# KiCad board output.Panel_R0.5.1_300x300_2layer_step1_Modified.kicad_pcb (continued)
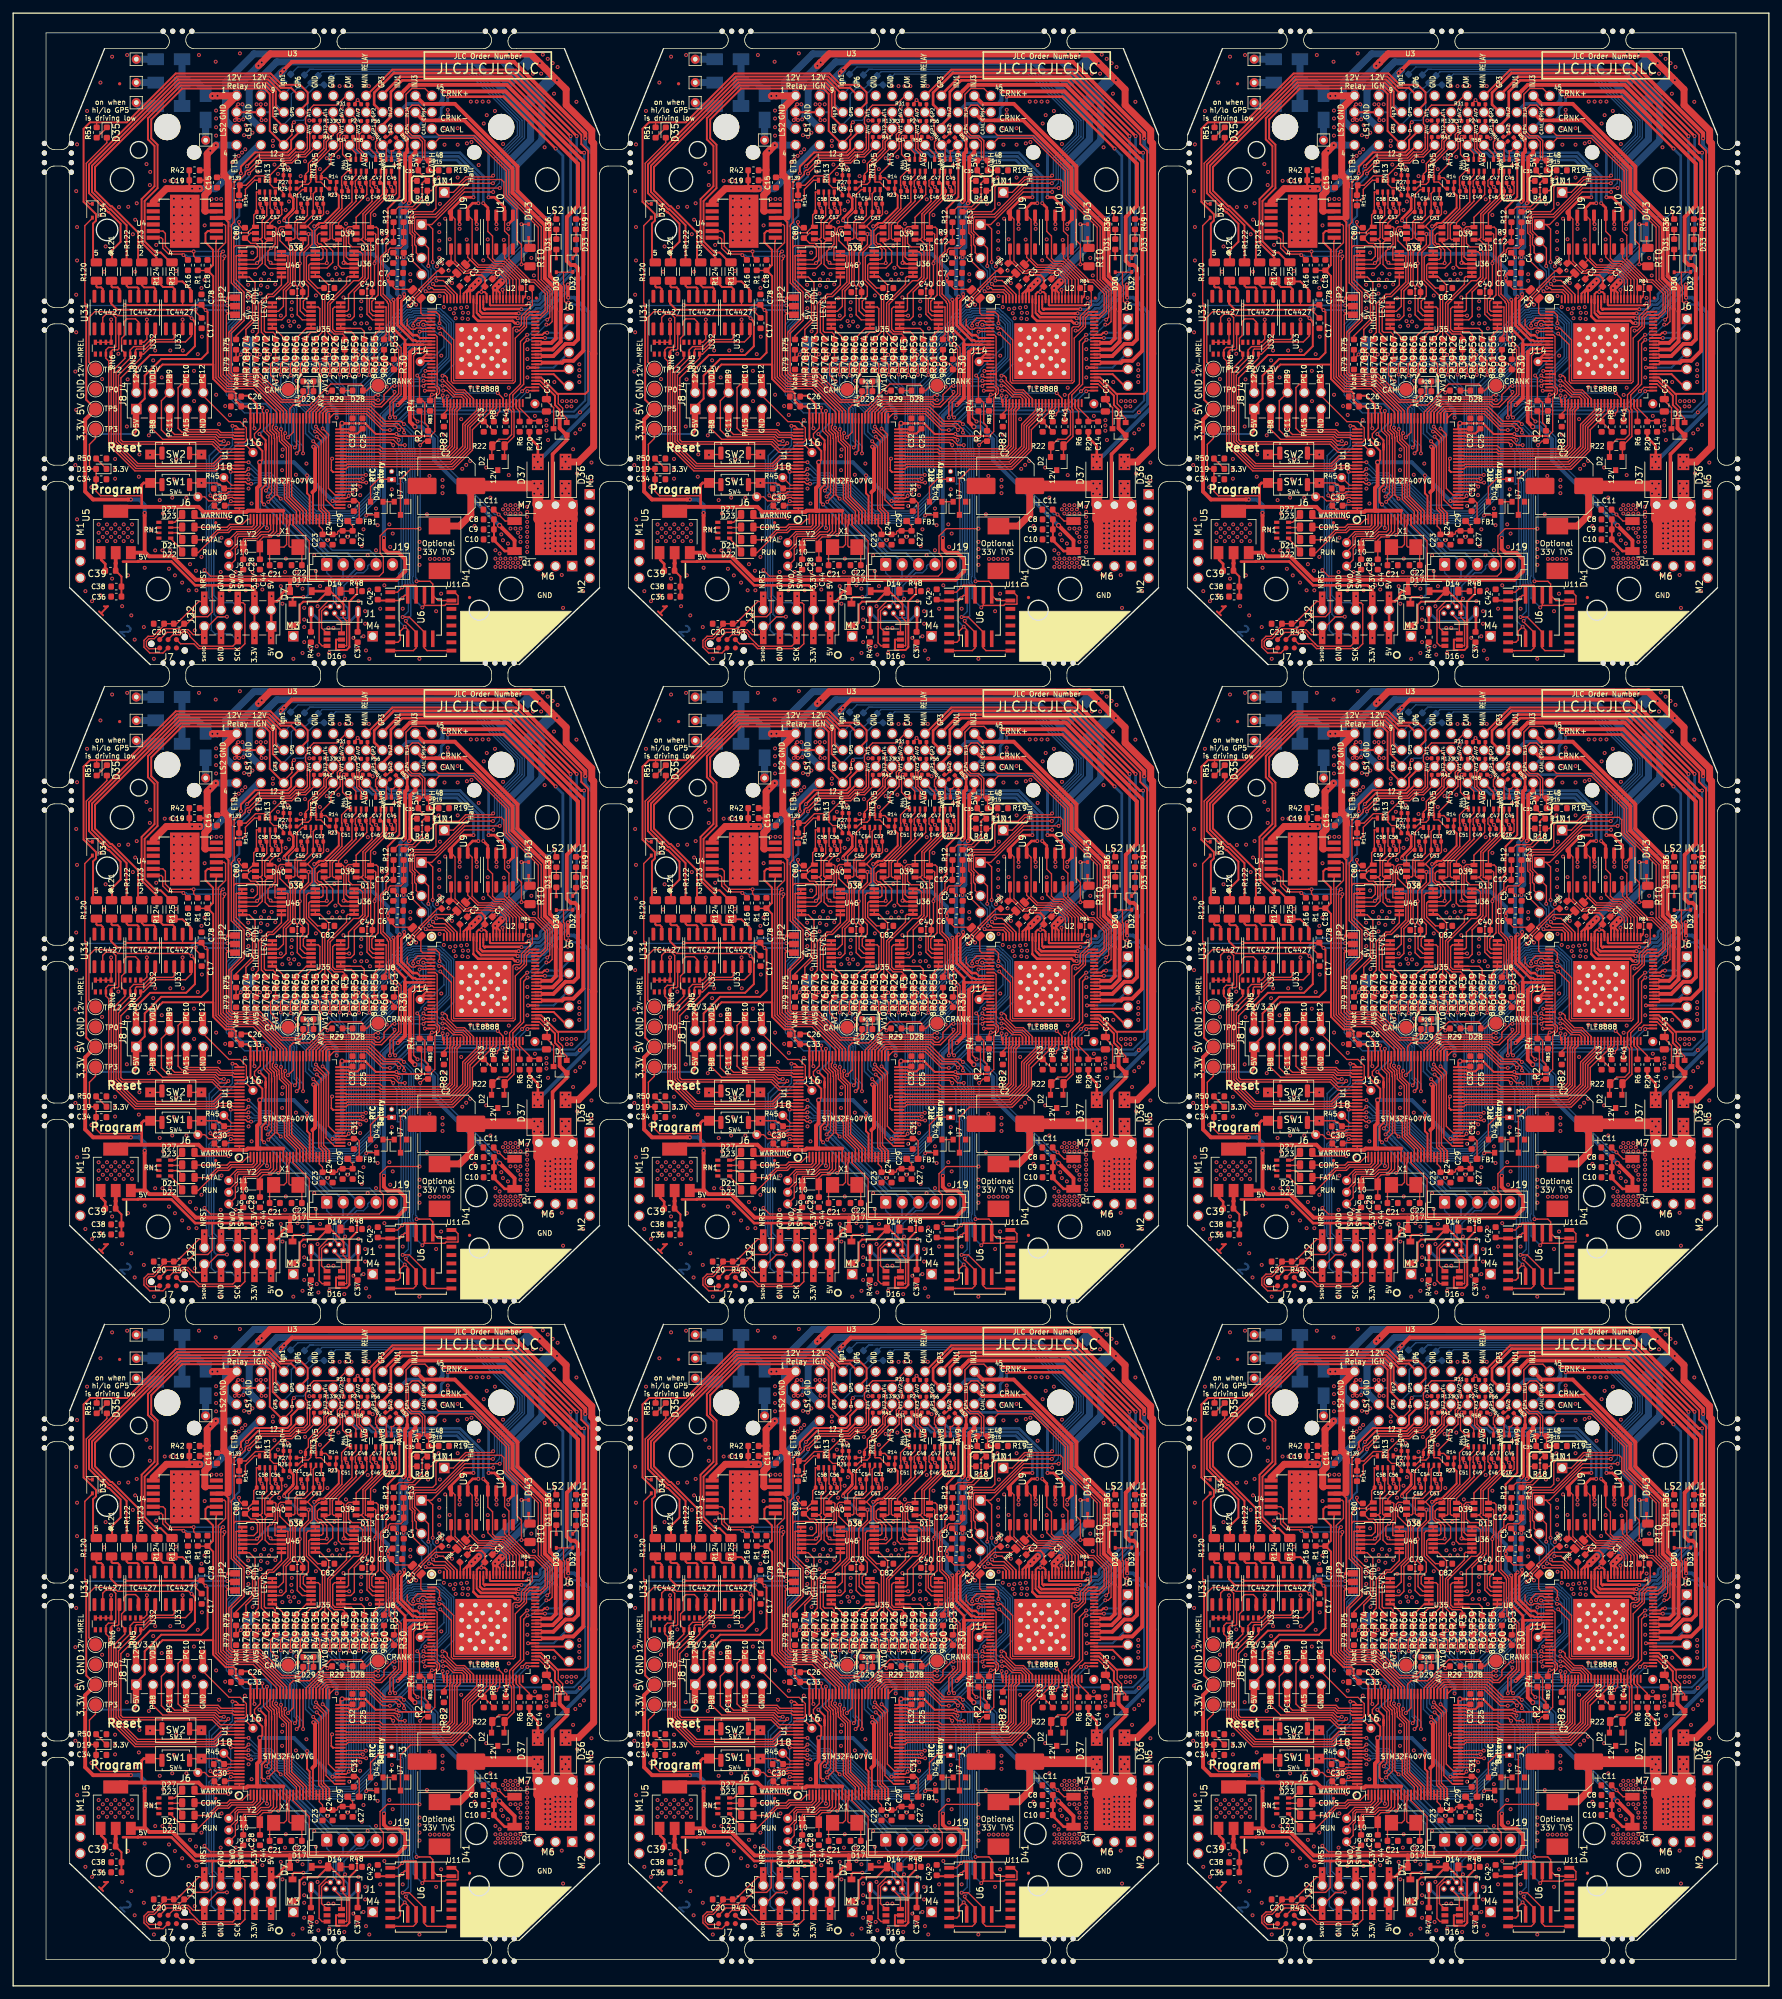
[diagram p0: board, top side]
## Routing (per net, layer and track width the routed paths; a pad name or vN(x,y) marks a point on that pad's centre or on a via; arc(x,y) is an arc through that point) (continued)
/MCU/PB2-BOOT1: length 13.3
  Top w0.216: U1#2.37 133.65,230.22 ; U1#3.37 218.65,230.22 ; U1#4.37 48.65,133.22 ; U1#6.37 133.65,133.22 ; U1#5.37 218.65,133.22 ; U1#8.37 218.65,36.22 ; U1#7.37 48.65,36.22 ; U1#9.37 133.65,36.22 ; U1.37 48.65,230.22
  Top w0.305: 133.65,230.22 133.65,230.22 NT2#2.2 ; NT2#3.2 218.65,230.22 218.65,230.22 ; 48.65,133.22 48.65,133.22 NT2#4.2 ; NT2#6.2 133.65,133.22 133.65,133.22 ; 218.65,133.22 218.65,133.22 NT2#5.2 ; NT2#7.2 218.65,36.22 218.65,36.22 ; NT2#9.2 48.65,36.22 48.65,36.22 ; 133.65,36.22 133.65,36.22 NT2#8.2 ; NT2.2 48.65,230.22 48.65,230.22
/MCU/PB7: length 25.4
  Top w0.203: 117.07,229.37 118.22,228.22 U1#2.93 ; U1#3.93 203.22,228.22 202.07,229.37 ; U1#6.93 118.22,131.22 117.07,132.37 ; 32.07,132.37 33.22,131.22 U1#4.93 ; U1#5.93 203.22,131.22 202.07,132.37 ; 117.07,35.37 118.22,34.22 U1#9.93 ; 32.07,35.37 33.22,34.22 U1#7.93 ; U1#8.93 203.22,34.22 202.07,35.37 ; U1.93 33.22,228.22 32.07,229.37
/MCU/PB10: length 431.8
  Top w0.216: U1#2.47 135.8,235.22 135.9,235.11 142.83,235.11 143.63,234.31 v1(144.56,234.31) ; U11#2.9 147.94,203.06 147.5,203.5 147.5,204.81 U6#2.3 147.55,205.85 145.24,208.16 v1(144.24,208.16) ; U1#3.47 220.8,235.22 220.9,235.11 227.83,235.11 228.63,234.31 v1(229.56,234.31) ; U11#3.9 232.94,203.06 232.5,203.5 232.5,204.81 U6#3.3 232.55,205.85 230.24,208.16 v1(229.24,208.16) ; U1#5.47 220.8,138.22 220.9,138.11 227.83,138.11 228.63,137.31 v1(229.56,137.31) ; v1(229.24,111.16) 230.24,111.16 232.55,108.85 U6#5.3 232.5,107.81 232.5,106.5 232.94,106.06 U11#5.9 ; U1#4.47 50.8,138.22 50.9,138.11 57.83,138.11 58.63,137.31 v1(59.56,137.31) ; U11#6.9 62.94,106.06 62.5,106.5 62.5,107.81 U6#4.3 62.55,108.85 60.24,111.16 v1(59.24,111.16) ; U1#6.47 135.8,138.22 135.9,138.11 142.83,138.11 143.63,137.31 v1(144.56,137.31) ; U11#4.9 147.94,106.06 147.5,106.5 147.5,107.81 U6#6.3 147.55,108.85 145.24,111.16 v1(144.24,111.16) ; U11#9.9 62.94,9.06 62.5,9.5 62.5,10.81 U6#7.3 62.55,11.85 60.24,14.16 v1(59.24,14.16) ; U1#7.47 50.8,41.22 50.9,41.11 57.83,41.11 58.63,40.31 v1(59.56,40.31) ; U1#9.47 135.8,41.22 135.9,41.11 142.83,41.11 143.63,40.31 v1(144.56,40.31) ; U11#8.9 147.94,9.06 147.5,9.5 147.5,10.81 U6#9.3 147.55,11.85 145.24,14.16 v1(144.24,14.16) ; U1#8.47 220.8,41.22 220.9,41.11 227.83,41.11 228.63,40.31 v1(229.56,40.31) ; v1(229.24,14.16) 230.24,14.16 232.55,11.85 U6#8.3 232.5,10.81 232.5,9.5 232.94,9.06 U11#7.9 ; v1(59.24,208.16) 60.24,208.16 62.55,205.85 U6.3 62.5,204.81 62.5,203.5 62.94,203.06 U11.9 ; U1.47 50.8,235.22 50.9,235.11 57.83,235.11 58.63,234.31 v1(59.56,234.31)
  Bottom w0.216: v1(144.24,208.16) 145.1,209.03 145.1,213.09 144.98,213.21 144.98,214.57 145.1,214.69 145.1,228.86 144.98,228.98 144.98,233.31 144.56,233.73 v1(144.56,234.31) ; v1(229.24,208.16) 230.1,209.03 230.1,213.09 229.98,213.21 229.98,214.57 230.1,214.69 230.1,228.86 229.98,228.98 229.98,233.31 229.56,233.73 v1(229.56,234.31) ; v1(229.24,111.16) 230.1,112.03 230.1,116.09 229.98,116.21 229.98,117.57 230.1,117.69 230.1,131.86 229.98,131.98 229.98,136.31 229.56,136.73 v1(229.56,137.31) ; v1(59.24,111.16) 60.1,112.03 60.1,116.09 59.98,116.21 59.98,117.57 60.1,117.69 60.1,131.86 59.98,131.98 59.98,136.31 59.56,136.73 v1(59.56,137.31) ; v1(144.24,111.16) 145.1,112.03 145.1,116.09 144.98,116.21 144.98,117.57 145.1,117.69 145.1,131.86 144.98,131.98 144.98,136.31 144.56,136.73 v1(144.56,137.31) ; v1(59.24,14.16) 60.1,15.03 60.1,19.09 59.98,19.21 59.98,20.57 60.1,20.69 60.1,34.86 59.98,34.98 59.98,39.31 59.56,39.73 v1(59.56,40.31) ; v1(144.24,14.16) 145.1,15.03 145.1,19.09 144.98,19.21 144.98,20.57 145.1,20.69 145.1,34.86 144.98,34.98 144.98,39.31 144.56,39.73 v1(144.56,40.31) ; v1(229.24,14.16) 230.1,15.03 230.1,19.09 229.98,19.21 229.98,20.57 230.1,20.69 230.1,34.86 229.98,34.98 229.98,39.31 229.56,39.73 v1(229.56,40.31) ; v1(59.24,208.16) 60.1,209.03 60.1,213.09 59.98,213.21 59.98,214.57 60.1,214.69 60.1,228.86 59.98,228.98 59.98,233.31 59.56,233.73 v1(59.56,234.31)
/MCU/PB13: length 471
  Top w0.216: U1#2.52 132.59,239.16 132.87,239.45 133.63,239.45 133.63,239.45 138.85,239.45 141.1,237.2 143.11,237.2 v1(143.69,236.63) ; U11#2.16 152.1,211.94 152.66,211.38 152.66,210.17 152.61,210.11 150.84,210.11 150.66,209.93 147.59,209.93 147.55,209.98 ; 147.55,209.98 U6#2.6 ; 147.55,209.98 147.55,209.94 v1(147.23,209.62) ; U1#3.52 217.59,239.16 217.87,239.45 218.63,239.45 218.63,239.45 223.85,239.45 226.1,237.2 228.11,237.2 v1(228.69,236.63) ; 232.55,209.98 232.59,209.93 235.66,209.93 235.84,210.11 237.61,210.11 237.66,210.17 237.66,211.38 237.1,211.94 U11#3.16 ; 232.55,209.98 U6#3.6 ; 232.55,209.98 232.55,209.94 v1(232.23,209.62) ; 232.55,112.98 232.59,112.93 235.66,112.93 235.84,113.11 237.61,113.11 237.66,113.17 237.66,114.38 237.1,114.94 U11#5.16 ; 232.55,112.98 U6#5.6 ; 232.55,112.98 232.55,112.94 v1(232.23,112.62) ; U1#5.52 217.59,142.16 217.87,142.45 218.63,142.45 218.63,142.45 223.85,142.45 226.1,140.2 228.11,140.2 v1(228.69,139.63) ; U1#4.52 47.59,142.16 47.87,142.45 48.63,142.45 48.63,142.45 53.85,142.45 56.1,140.2 58.11,140.2 v1(58.69,139.63) ; U11#6.16 67.1,114.94 67.66,114.38 67.66,113.17 67.61,113.11 65.84,113.11 65.66,112.93 62.59,112.93 62.55,112.98 ; 62.55,112.98 U6#4.6 ; 62.55,112.98 62.55,112.94 v1(62.23,112.62) ; U1#6.52 132.59,142.16 132.87,142.45 133.63,142.45 133.63,142.45 138.85,142.45 141.1,140.2 143.11,140.2 v1(143.69,139.63) ; 147.55,112.98 147.59,112.93 150.66,112.93 150.84,113.11 152.61,113.11 152.66,113.17 152.66,114.38 152.1,114.94 U11#4.16 ; 147.55,112.98 U6#6.6 ; 147.55,112.98 147.55,112.94 v1(147.23,112.62) ; U1#7.52 47.59,45.16 47.87,45.45 48.63,45.45 48.63,45.45 53.85,45.45 56.1,43.2 58.11,43.2 v1(58.69,42.63) ; v1(62.23,15.62) 62.55,15.94 62.55,15.98 ; 62.55,15.98 62.59,15.93 65.66,15.93 65.84,16.11 67.61,16.11 67.66,16.17 67.66,17.38 67.1,17.94 U11#9.16 ; 62.55,15.98 U6#7.6 ; U1#9.52 132.59,45.16 132.87,45.45 133.63,45.45 133.63,45.45 138.85,45.45 141.1,43.2 143.11,43.2 v1(143.69,42.63) ; 147.55,15.98 147.59,15.93 150.66,15.93 150.84,16.11 152.61,16.11 152.66,16.17 152.66,17.38 152.1,17.94 U11#8.16 ; 147.55,15.98 U6#9.6 ; 147.55,15.98 147.55,15.94 v1(147.23,15.62) ; U1#8.52 217.59,45.16 217.87,45.45 218.63,45.45 218.63,45.45 223.85,45.45 226.1,43.2 228.11,43.2 v1(228.69,42.63) ; 232.55,15.98 232.59,15.93 235.66,15.93 235.84,16.11 237.61,16.11 237.66,16.17 237.66,17.38 237.1,17.94 U11#7.16 ; 232.55,15.98 U6#8.6 ; 232.55,15.98 232.55,15.94 v1(232.23,15.62) ; 62.55,209.98 62.55,209.94 v1(62.23,209.62) ; 62.55,209.98 62.59,209.93 65.66,209.93 65.84,210.11 67.61,210.11 67.66,210.17 67.66,211.38 67.1,211.94 U11.16 ; 62.55,209.98 U6.6 ; U1.52 47.59,239.16 47.87,239.45 48.63,239.45 48.63,239.45 53.85,239.45 56.1,237.2 58.11,237.2 v1(58.69,236.63)
  Bottom w0.216: v1(147.23,209.62) 145.84,211.02 145.84,213.4 145.72,213.51 145.72,214.27 145.83,214.38 145.83,229.17 145.72,229.28 145.72,233.61 145.53,233.8 145.53,235.97 144.57,236.93 143.99,236.93 v1(143.69,236.63) ; v1(232.23,209.62) 230.84,211.02 230.84,213.4 230.72,213.51 230.72,214.27 230.83,214.38 230.83,229.17 230.72,229.28 230.72,233.61 230.53,233.8 230.53,235.97 229.57,236.93 228.99,236.93 v1(228.69,236.63) ; v1(232.23,112.62) 230.84,114.02 230.84,116.4 230.72,116.51 230.72,117.27 230.83,117.38 230.83,132.17 230.72,132.28 230.72,136.61 230.53,136.8 230.53,138.97 229.57,139.93 228.99,139.93 v1(228.69,139.63) ; v1(62.23,112.62) 60.84,114.02 60.84,116.4 60.72,116.51 60.72,117.27 60.83,117.38 60.83,132.17 60.72,132.28 60.72,136.61 60.53,136.8 60.53,138.97 59.57,139.93 58.99,139.93 v1(58.69,139.63) ; v1(147.23,112.62) 145.84,114.02 145.84,116.4 145.72,116.51 145.72,117.27 145.83,117.38 145.83,132.17 145.72,132.28 145.72,136.61 145.53,136.8 145.53,138.97 144.57,139.93 143.99,139.93 v1(143.69,139.63) ; v1(62.23,15.62) 60.84,17.02 60.84,19.4 60.72,19.51 60.72,20.27 60.83,20.38 60.83,35.17 60.72,35.28 60.72,39.61 60.53,39.8 60.53,41.97 59.57,42.93 58.99,42.93 v1(58.69,42.63) ; v1(147.23,15.62) 145.84,17.02 145.84,19.4 145.72,19.51 145.72,20.27 145.83,20.38 145.83,35.17 145.72,35.28 145.72,39.61 145.53,39.8 145.53,41.97 144.57,42.93 143.99,42.93 v1(143.69,42.63) ; v1(232.23,15.62) 230.84,17.02 230.84,19.4 230.72,19.51 230.72,20.27 230.83,20.38 230.83,35.17 230.72,35.28 230.72,39.61 230.53,39.8 230.53,41.97 229.57,42.93 228.99,42.93 v1(228.69,42.63) ; v1(62.23,209.62) 60.84,211.02 60.84,213.4 60.72,213.51 60.72,214.27 60.83,214.38 60.83,229.17 60.72,229.28 60.72,233.61 60.53,233.8 60.53,235.97 59.57,236.93 58.99,236.93 v1(58.69,236.63)
/MCU/PB14: length 481.5
  Top w0.216: v1(144.44,236.23) 144.44,236.67 143.54,237.57 141.33,237.57 139.08,239.82 133.46,239.82 133.45,239.82 132.72,239.82 132.09,239.19 U1#2.53 ; v1(144.72,207.58) 144.72,207.42 146.28,205.85 U6#2.2 146.28,203.47 145.86,203.06 U11#2.8 ; U1#3.53 217.09,239.19 217.72,239.82 218.45,239.82 218.46,239.82 224.08,239.82 226.33,237.57 228.54,237.57 229.44,236.67 v1(229.44,236.23) ; v1(229.72,207.58) 229.72,207.42 231.28,205.85 U6#3.2 231.28,203.47 230.86,203.06 U11#3.8 ; U11#5.8 230.86,106.06 231.28,106.47 U6#5.2 231.28,108.85 229.72,110.42 v1(229.72,110.58) ; U1#5.53 217.09,142.19 217.72,142.82 218.45,142.82 218.46,142.82 224.08,142.82 226.33,140.57 228.54,140.57 229.44,139.67 v1(229.44,139.23) ; v1(59.44,139.23) 59.44,139.67 58.54,140.57 56.33,140.57 54.08,142.82 48.46,142.82 48.45,142.82 47.72,142.82 47.09,142.19 U1#4.53 ; v1(59.72,110.58) 59.72,110.42 61.28,108.85 U6#4.2 61.28,106.47 60.86,106.06 U11#6.8 ; U1#6.53 132.09,142.19 132.72,142.82 133.45,142.82 133.46,142.82 139.08,142.82 141.33,140.57 143.54,140.57 144.44,139.67 v1(144.44,139.23) ; v1(144.72,110.58) 144.72,110.42 146.28,108.85 U6#6.2 146.28,106.47 145.86,106.06 U11#4.8 ; U1#7.53 47.09,45.19 47.72,45.82 48.45,45.82 48.46,45.82 54.08,45.82 56.33,43.57 58.54,43.57 59.44,42.67 v1(59.44,42.23) ; U11#9.8 60.86,9.06 61.28,9.47 U6#7.2 61.28,11.85 59.72,13.42 v1(59.72,13.58) ; v1(144.44,42.23) 144.44,42.67 143.54,43.57 141.33,43.57 139.08,45.82 133.46,45.82 133.45,45.82 132.72,45.82 132.09,45.19 U1#9.53 ; v1(144.72,13.58) 144.72,13.42 146.28,11.85 U6#9.2 146.28,9.47 145.86,9.06 U11#8.8 ; U11#7.8 230.86,9.06 231.28,9.47 U6#8.2 231.28,11.85 229.72,13.42 v1(229.72,13.58) ; U1#8.53 217.09,45.19 217.72,45.82 218.45,45.82 218.46,45.82 224.08,45.82 226.33,43.57 228.54,43.57 229.44,42.67 v1(229.44,42.23) ; v1(59.44,236.23) 59.44,236.67 58.54,237.57 56.33,237.57 54.08,239.82 48.46,239.82 48.45,239.82 47.72,239.82 47.09,239.19 U1.53 ; U11.8 60.86,203.06 61.28,203.47 U6.2 61.28,205.85 59.72,207.42 v1(59.72,207.58)
  Bottom w0.216: v1(144.44,236.23) 145.16,235.5 145.16,233.65 145.35,233.46 145.35,229.13 145.47,229.02 145.47,214.54 145.35,214.42 145.35,213.36 145.47,213.24 145.47,208.34 v1(144.72,207.58) ; v1(229.44,236.23) 230.16,235.5 230.16,233.65 230.35,233.46 230.35,229.13 230.47,229.02 230.47,214.54 230.35,214.42 230.35,213.36 230.47,213.24 230.47,208.34 v1(229.72,207.58) ; v1(229.72,110.58) 230.47,111.34 230.47,116.24 230.35,116.36 230.35,117.42 230.47,117.54 230.47,132.02 230.35,132.13 230.35,136.46 230.16,136.65 230.16,138.5 v1(229.44,139.23) ; v1(59.44,139.23) 60.16,138.5 60.16,136.65 60.35,136.46 60.35,132.13 60.47,132.02 60.47,117.54 60.35,117.42 60.35,116.36 60.47,116.24 60.47,111.34 v1(59.72,110.58) ; v1(144.44,139.23) 145.16,138.5 145.16,136.65 145.35,136.46 145.35,132.13 145.47,132.02 145.47,117.54 145.35,117.42 145.35,116.36 145.47,116.24 145.47,111.34 v1(144.72,110.58) ; v1(59.44,42.23) 60.16,41.5 60.16,39.65 60.35,39.46 60.35,35.13 60.47,35.02 60.47,20.54 60.35,20.42 60.35,19.36 60.47,19.24 60.47,14.34 v1(59.72,13.58) ; v1(144.44,42.23) 145.16,41.5 145.16,39.65 145.35,39.46 145.35,35.13 145.47,35.02 145.47,20.54 145.35,20.42 145.35,19.36 145.47,19.24 145.47,14.34 v1(144.72,13.58) ; v1(229.72,13.58) 230.47,14.34 230.47,19.24 230.35,19.36 230.35,20.42 230.47,20.54 230.47,35.02 230.35,35.13 230.35,39.46 230.16,39.65 230.16,41.5 v1(229.44,42.23) ; v1(59.72,207.58) 60.47,208.34 60.47,213.24 60.35,213.36 60.35,214.42 60.47,214.54 60.47,229.02 60.35,229.13 60.35,233.46 60.16,233.65 60.16,235.5 v1(59.44,236.23)
/MCU/PB15: length 427.4
  Top w0.216: v1(144.44,237.5) 144,237.94 141.56,237.94 139.31,240.19 133.32,240.19 133.32,240.19 132.57,240.19 131.59,239.21 U1#2.54 ; v1(146.36,213.6) 148.4,213.6 148.82,213.18 U6#2.5 149.61,210.68 U11#2.15 ; v1(229.44,237.5) 229,237.94 226.56,237.94 224.31,240.19 218.32,240.19 218.32,240.19 217.57,240.19 216.59,239.21 U1#3.54 ; v1(231.36,213.6) 233.4,213.6 233.82,213.18 233.82,211.46 234.61,210.68 U11#3.15 ; v1(229.44,140.5) 229,140.94 226.56,140.94 224.31,143.19 218.32,143.19 218.32,143.19 217.57,143.19 216.59,142.21 U1#5.54 ; v1(231.36,116.6) 233.4,116.6 233.82,116.18 233.82,114.46 234.61,113.68 U11#5.15 ; v1(59.44,140.5) 59,140.94 56.56,140.94 54.31,143.19 48.32,143.19 48.32,143.19 47.57,143.19 46.59,142.21 U1#4.54 ; v1(61.36,116.6) 63.4,116.6 63.82,116.18 U6#4.5 64.61,113.68 U11#6.15 ; v1(144.44,140.5) 144,140.94 141.56,140.94 139.31,143.19 133.32,143.19 133.32,143.19 132.57,143.19 131.59,142.21 U1#6.54 ; v1(146.36,116.6) 148.4,116.6 148.82,116.18 U6#6.5 149.61,113.68 U11#4.15 ; v1(59.44,43.5) 59,43.94 56.56,43.94 54.31,46.19 48.32,46.19 48.32,46.19 47.57,46.19 46.59,45.21 U1#7.54 ; U11#9.15 64.61,16.68 U6#7.5 63.82,19.18 63.4,19.6 v1(61.36,19.6) ; v1(144.44,43.5) 144,43.94 141.56,43.94 139.31,46.19 133.32,46.19 133.32,46.19 132.57,46.19 131.59,45.21 U1#9.54 ; v1(146.36,19.6) 148.4,19.6 148.82,19.18 U6#9.5 149.61,16.68 U11#8.15 ; v1(231.36,19.6) 233.4,19.6 233.82,19.18 233.82,17.46 234.61,16.68 U11#7.15 ; v1(229.44,43.5) 229,43.94 226.56,43.94 224.31,46.19 218.32,46.19 218.32,46.19 217.57,46.19 216.59,45.21 U1#8.54 ; U11.15 64.61,210.68 U6.5 63.82,213.18 63.4,213.6 v1(61.36,213.6) ; v1(59.44,237.5) 59,237.94 56.56,237.94 54.31,240.19 48.32,240.19 48.32,240.19 47.57,240.19 46.59,239.21 U1.54
  Bottom w0.216: v1(144.44,237.5) 144.6,237.5 145.9,236.2 145.9,233.95 146.09,233.77 146.09,229.43 146.2,229.32 146.2,214.18 146.36,214.03 v1(146.36,213.6) ; v1(229.44,237.5) 229.6,237.5 230.9,236.2 230.9,233.95 231.09,233.77 231.09,229.43 231.2,229.32 231.2,214.18 231.36,214.03 v1(231.36,213.6) ; v1(229.44,140.5) 229.6,140.5 230.9,139.2 230.9,136.95 231.09,136.77 231.09,132.43 231.2,132.32 231.2,117.18 231.36,117.03 v1(231.36,116.6) ; v1(59.44,140.5) 59.6,140.5 60.9,139.2 60.9,136.95 61.09,136.77 61.09,132.43 61.2,132.32 61.2,117.18 61.36,117.03 v1(61.36,116.6) ; v1(144.44,140.5) 144.6,140.5 145.9,139.2 145.9,136.95 146.09,136.77 146.09,132.43 146.2,132.32 146.2,117.18 146.36,117.03 v1(146.36,116.6) ; v1(59.44,43.5) 59.6,43.5 60.9,42.2 60.9,39.95 61.09,39.77 61.09,35.43 61.2,35.32 61.2,20.18 61.36,20.03 v1(61.36,19.6) ; v1(144.44,43.5) 144.6,43.5 145.9,42.2 145.9,39.95 146.09,39.77 146.09,35.43 146.2,35.32 146.2,20.18 146.36,20.03 v1(146.36,19.6) ; v1(229.44,43.5) 229.6,43.5 230.9,42.2 230.9,39.95 231.09,39.77 231.09,35.43 231.2,35.32 231.2,20.18 231.36,20.03 v1(231.36,19.6) ; v1(61.36,213.6) 61.36,214.03 61.2,214.18 61.2,229.32 61.09,229.43 61.09,233.77 60.9,233.95 60.9,236.2 59.6,237.5 v1(59.44,237.5)
/MCU/PC7: length 404.5
  Top w0.216: U4#2.12 107.52,265.86 107.75,265.62 107.75,264.27 108.66,263.36 110.74,263.36 111.58,262.52 R16#2.1 ; U1#2.64 126.59,239.47 122.07,243.99 117.95,243.99 116.94,244.99 116.94,262.41 117.13,262.6 v1(117.13,263.02) ; R16#3.1 196.58,262.52 195.74,263.36 193.66,263.36 192.75,264.27 192.75,265.62 192.52,265.86 U4#3.12 ; U1#3.64 211.59,239.47 207.07,243.99 202.95,243.99 201.94,244.99 201.94,262.41 202.13,262.6 v1(202.13,263.02) ; U4#5.12 192.52,168.86 192.75,168.62 192.75,167.27 193.66,166.36 195.74,166.36 196.58,165.52 R16#4.1 ; U1#5.64 211.59,142.47 207.07,146.99 202.95,146.99 201.94,147.99 201.94,165.41 202.13,165.6 v1(202.13,166.03) ; U4#6.12 22.52,168.86 22.75,168.62 22.75,167.27 23.66,166.36 25.74,166.36 26.58,165.52 R16#6.1 ; U1#4.64 41.59,142.47 37.07,146.99 32.95,146.99 31.94,147.99 31.94,165.41 32.13,165.6 v1(32.13,166.03) ; R16#5.1 111.58,165.52 110.74,166.36 108.66,166.36 107.75,167.27 107.75,168.62 107.52,168.86 U4#4.12 ; U1#6.64 126.59,142.47 122.07,146.99 117.95,146.99 116.94,147.99 116.94,165.41 117.13,165.6 v1(117.13,166.03) ; U4#9.12 22.52,71.86 22.75,71.62 22.75,70.27 23.66,69.36 25.74,69.36 26.58,68.52 R16#9.1 ; U1#7.64 41.59,45.47 37.07,49.99 32.95,49.99 31.94,50.99 31.94,68.41 32.13,68.6 v1(32.13,69.02) ; U4#8.12 107.52,71.86 107.75,71.62 107.75,70.27 108.66,69.36 110.74,69.36 111.58,68.52 R16#8.1 ; U1#9.64 126.59,45.47 122.07,49.99 117.95,49.99 116.94,50.99 116.94,68.41 117.13,68.6 v1(117.13,69.02) ; U4#7.12 192.52,71.86 192.75,71.62 192.75,70.27 193.66,69.36 195.74,69.36 196.58,68.52 R16#7.1 ; U1#8.64 211.59,45.47 207.07,49.99 202.95,49.99 201.94,50.99 201.94,68.41 202.13,68.6 v1(202.13,69.02) ; R16.1 26.58,262.52 25.74,263.36 23.66,263.36 22.75,264.27 22.75,265.62 22.52,265.86 U4.12 ; v1(32.13,263.02) 32.13,262.6 31.94,262.41 31.94,244.99 32.95,243.99 37.07,243.99 41.59,239.47 U1.64
  Bottom w0.216: v1(117.13,263.02) 111.5,263.02 111.32,263.2 v1(110.9,263.2) ; v1(202.13,263.02) 196.5,263.02 196.32,263.2 v1(195.9,263.2) ; v1(202.13,166.03) 196.5,166.03 196.32,166.2 v1(195.9,166.2) ; v1(32.13,166.03) 26.5,166.03 26.32,166.2 v1(25.9,166.2) ; v1(117.13,166.03) 111.5,166.03 111.32,166.2 v1(110.9,166.2) ; v1(25.9,69.2) 26.32,69.2 26.5,69.02 v1(32.13,69.02) ; v1(117.13,69.02) 111.5,69.02 111.32,69.2 v1(110.9,69.2) ; v1(202.13,69.02) 196.5,69.02 196.32,69.2 v1(195.9,69.2) ; v1(32.13,263.02) 26.5,263.02 26.32,263.2 v1(25.9,263.2)
/MCU/PC9: length 337.6
  Top w0.216: U4#2.3 117.12,267.86 117.3,267.67 117.3,265.1 116.21,264.01 116.21,244.69 117.64,243.25 121.77,243.25 125.59,239.43 U1#2.66 ; U4#3.3 202.12,267.86 202.3,267.67 202.3,265.1 201.21,264.01 201.21,244.69 202.64,243.25 206.77,243.25 210.59,239.43 U1#3.66 ; U4#5.3 202.12,170.86 202.3,170.67 202.3,168.1 201.21,167.01 201.21,147.69 202.64,146.25 206.77,146.25 210.59,142.43 U1#5.66 ; U4#6.3 32.12,170.86 32.3,170.67 32.3,168.1 31.21,167.01 31.21,147.69 32.64,146.25 36.77,146.25 40.59,142.43 U1#4.66 ; U4#4.3 117.12,170.86 117.3,170.67 117.3,168.1 116.21,167.01 116.21,147.69 117.64,146.25 121.77,146.25 125.59,142.43 U1#6.66 ; U1#7.66 40.59,45.43 36.77,49.25 32.64,49.25 31.21,50.69 31.21,70.01 32.3,71.1 32.3,73.67 32.12,73.86 U4#9.3 ; U1#9.66 125.59,45.43 121.77,49.25 117.64,49.25 116.21,50.69 116.21,70.01 117.3,71.1 117.3,73.67 117.12,73.86 U4#8.3 ; U4#7.3 202.12,73.86 202.3,73.67 202.3,71.1 201.21,70.01 201.21,50.69 202.64,49.25 206.77,49.25 210.59,45.43 U1#8.66 ; U4.3 32.12,267.86 32.3,267.67 32.3,265.1 31.21,264.01 31.21,244.69 32.64,243.25 36.77,243.25 40.59,239.43 U1.66
/MCU/PC13: length 108.3
  Top w0.203: 117.83,215.91 118.79,216.86 118.79,218.54 119.1,218.86 119.1,220.23 119.31,220.44 121.98,220.44 122.66,221.12 123.83,221.12 124.15,221.43 124.15,222.17 124.09,222.24 U1#2.7 ; 202.83,215.91 203.79,216.86 203.79,218.54 204.1,218.86 204.1,220.23 204.31,220.44 206.98,220.44 207.66,221.12 208.83,221.12 209.15,221.43 209.15,222.17 209.09,222.24 U1#3.7 ; 117.83,118.91 118.79,119.86 118.79,121.54 119.1,121.86 119.1,123.23 119.31,123.44 121.98,123.44 122.66,124.12 123.83,124.12 124.15,124.43 124.15,125.17 124.09,125.24 U1#6.7 ; 32.83,118.91 33.79,119.86 33.79,121.54 34.1,121.86 34.1,123.23 34.31,123.44 36.98,123.44 37.66,124.12 38.83,124.12 39.15,124.43 39.15,125.17 39.09,125.24 U1#4.7 ; 202.83,118.91 203.79,119.86 203.79,121.54 204.1,121.86 204.1,123.23 204.31,123.44 206.98,123.44 207.66,124.12 208.83,124.12 209.15,124.43 209.15,125.17 209.09,125.24 U1#5.7 ; 117.83,21.91 118.79,22.86 118.79,24.54 119.1,24.86 119.1,26.23 119.31,26.44 121.98,26.44 122.66,27.12 123.83,27.12 124.15,27.43 124.15,28.17 124.09,28.24 U1#9.7 ; 32.83,21.91 33.79,22.86 33.79,24.54 34.1,24.86 34.1,26.23 34.31,26.44 36.98,26.44 37.66,27.12 38.83,27.12 39.15,27.43 39.15,28.17 39.09,28.24 U1#7.7 ; 202.83,21.91 203.79,22.86 203.79,24.54 204.1,24.86 204.1,26.23 204.31,26.44 206.98,26.44 207.66,27.12 208.83,27.12 209.15,27.43 209.15,28.17 209.09,28.24 U1#8.7 ; 32.83,215.91 33.79,216.86 33.79,218.54 34.1,218.86 34.1,220.23 34.31,220.44 36.98,220.44 37.66,221.12 38.83,221.12 39.15,221.43 39.15,222.17 39.09,222.24 U1.7
/MCU/PD0: length 22.8
  Top w0.203: 121.51,233.18 120.48,234.22 U1#2.81 ; 206.51,233.18 205.48,234.22 U1#3.81 ; 121.51,136.18 120.48,137.22 U1#6.81 ; 36.51,136.18 35.48,137.22 U1#4.81 ; U1#5.81 205.48,137.22 206.51,136.18 ; 121.51,39.18 120.48,40.22 U1#9.81 ; 36.51,39.18 35.48,40.22 U1#7.81 ; U1#8.81 205.48,40.22 206.51,39.18 ; U1.81 35.48,234.22 36.51,233.18
/MCU/PE0: length 61.4
  Top w0.203: 113.13,226.45 114.12,226.45 114.74,225.83 116.58,225.83 117,226.25 117.81,226.25 117.93,226.37 118.35,226.37 118.5,226.22 U1#2.97 ; U1#3.97 203.5,226.22 203.35,226.37 202.93,226.37 202.81,226.25 202,226.25 201.58,225.83 199.74,225.83 199.12,226.45 198.13,226.45 ; U1#6.97 118.5,129.22 118.35,129.37 117.93,129.37 117.81,129.25 117,129.25 116.58,128.83 114.74,128.83 114.12,129.45 113.13,129.45 ; 28.13,129.45 29.12,129.45 29.74,128.83 31.58,128.83 32,129.25 32.81,129.25 32.93,129.37 33.35,129.37 33.5,129.22 U1#4.97 ; U1#5.97 203.5,129.22 203.35,129.37 202.93,129.37 202.81,129.25 202,129.25 201.58,128.83 199.74,128.83 199.12,129.45 198.13,129.45 ; U1#9.97 118.5,32.22 118.35,32.37 117.93,32.37 117.81,32.25 117,32.25 116.58,31.83 114.74,31.83 114.12,32.45 113.13,32.45 ; 28.13,32.45 29.12,32.45 29.74,31.83 31.58,31.83 32,32.25 32.81,32.25 32.93,32.37 33.35,32.37 33.5,32.22 U1#7.97 ; U1#8.97 203.5,32.22 203.35,32.37 202.93,32.37 202.81,32.25 202,32.25 201.58,31.83 199.74,31.83 199.12,32.45 198.13,32.45 ; U1.97 33.5,226.22 33.35,226.37 32.93,226.37 32.81,226.25 32,226.25 31.58,225.83 29.74,225.83 29.12,226.45 28.13,226.45
/MCU/PE5: length 64
  Top w0.203: 117.83,219.46 117.83,219.97 119.01,221.15 121.68,221.15 122.59,222.05 U1#2.4 ; 202.83,219.46 202.83,219.97 204.01,221.15 206.68,221.15 207.59,222.05 U1#3.4 ; 117.83,122.46 117.83,122.97 119.01,124.15 121.68,124.15 122.59,125.05 U1#6.4 ; 32.83,122.46 32.83,122.97 34.01,124.15 36.68,124.15 37.59,125.05 U1#4.4 ; 202.83,122.46 202.83,122.97 204.01,124.15 206.68,124.15 207.59,125.05 U1#5.4 ; 117.83,25.46 117.83,25.97 119.01,27.15 121.68,27.15 122.59,28.05 U1#9.4 ; 32.83,25.46 32.83,25.97 34.01,27.15 36.68,27.15 37.59,28.05 U1#7.4 ; 202.83,25.46 202.83,25.97 204.01,27.15 206.68,27.15 207.59,28.05 U1#8.4 ; 32.83,219.46 32.83,219.97 34.01,221.15 36.68,221.15 37.59,222.05 U1.4
/MCU/PE6: length 81.9
  Top w0.203: 117.83,217.69 117.83,218.09 118.75,219.01 118.75,220.38 119.16,220.79 121.83,220.79 123.09,222.05 U1#2.5 ; 202.83,217.69 202.83,218.09 203.75,219.01 203.75,220.38 204.16,220.79 206.83,220.79 208.09,222.05 U1#3.5 ; 117.83,120.69 117.83,121.09 118.75,122.01 118.75,123.38 119.16,123.79 121.83,123.79 123.09,125.05 U1#6.5 ; 32.83,120.69 32.83,121.09 33.75,122.01 33.75,123.38 34.16,123.79 36.83,123.79 38.09,125.05 U1#4.5 ; U1#5.5 208.09,125.05 206.83,123.79 204.16,123.79 203.75,123.38 203.75,122.01 202.83,121.09 202.83,120.69 ; 117.83,23.69 117.83,24.09 118.75,25.01 118.75,26.38 119.16,26.79 121.83,26.79 123.09,28.05 U1#9.5 ; 32.83,23.69 32.83,24.09 33.75,25.01 33.75,26.38 34.16,26.79 36.83,26.79 38.09,28.05 U1#7.5 ; U1#8.5 208.09,28.05 206.83,26.79 204.16,26.79 203.75,26.38 203.75,25.01 202.83,24.09 202.83,23.69 ; U1.5 38.09,222.05 36.83,220.79 34.16,220.79 33.75,220.38 33.75,219.01 32.83,218.09 32.83,217.69
/MCU/shield: length 133.4
  Top w0.406: C37#2.1 137.45,205.97 J1#2.6 ; 130.28,205.77 130.3,205.8 J1#2.6 ; J1#3.6 222.45,205.97 C37#3.1 ; 215.28,205.77 215.3,205.8 J1#3.6 ; J1#5.6 222.45,108.97 C37#5.1 ; J1#5.6 215.3,108.8 215.28,108.77 ; J1#6.6 137.45,108.97 C37#4.1 ; 130.28,108.77 130.3,108.8 J1#6.6 ; C37#6.1 52.45,108.97 J1#4.6 ; 45.28,108.77 45.3,108.8 J1#4.6 ; J1#9.6 137.45,11.97 C37#9.1 ; 130.28,11.77 130.3,11.8 J1#9.6 ; J1#7.6 52.45,11.97 C37#8.1 ; J1#7.6 45.3,11.8 45.28,11.77 ; C37#7.1 222.45,11.97 J1#8.6 ; J1#8.6 215.3,11.8 215.28,11.77 ; C37.1 52.45,205.97 J1.6 ; J1.6 45.3,205.8 45.28,205.77
  Bottom w0.406: J1#2.6 137.45,208.73 136.23,207.51 131.69,207.51 130.3,208.9 J1#2.6 ; J1#3.6 222.45,208.73 221.23,207.51 216.69,207.51 215.3,208.9 J1#3.6 ; J1#5.6 222.45,111.73 221.23,110.51 216.69,110.51 215.3,111.9 J1#5.6 ; J1#6.6 137.45,111.73 136.23,110.51 131.69,110.51 130.3,111.9 J1#6.6 ; J1#4.6 52.45,111.73 51.23,110.51 46.69,110.51 45.3,111.9 J1#4.6 ; J1#8.6 222.45,14.73 221.23,13.51 216.69,13.51 215.3,14.9 J1#8.6 ; J1#9.6 137.45,14.73 136.23,13.51 131.69,13.51 130.3,14.9 J1#9.6 ; J1#7.6 52.45,14.73 51.23,13.51 46.69,13.51 45.3,14.9 J1#7.6 ; J1.6 52.45,208.73 51.23,207.51 46.69,207.51 45.3,208.9 J1.6
